# Altium PCB PCB1.PcbDoc (part 2 of 5)
Units mil, origin at the board's own origin, x right, y up, seen from the top; angles counter-clockwise.
Board outline 4133.86 x 2637.8 mil, 6 copper layers (Top Layer, Layer 3, Layer 1, Layer 2, Layer 4, Bottom Layer), stack 32.112 mil thick; 190 components, 222 nets, 983 pads, 548 vias.
Unrouted connection lines stored in the file: 1.
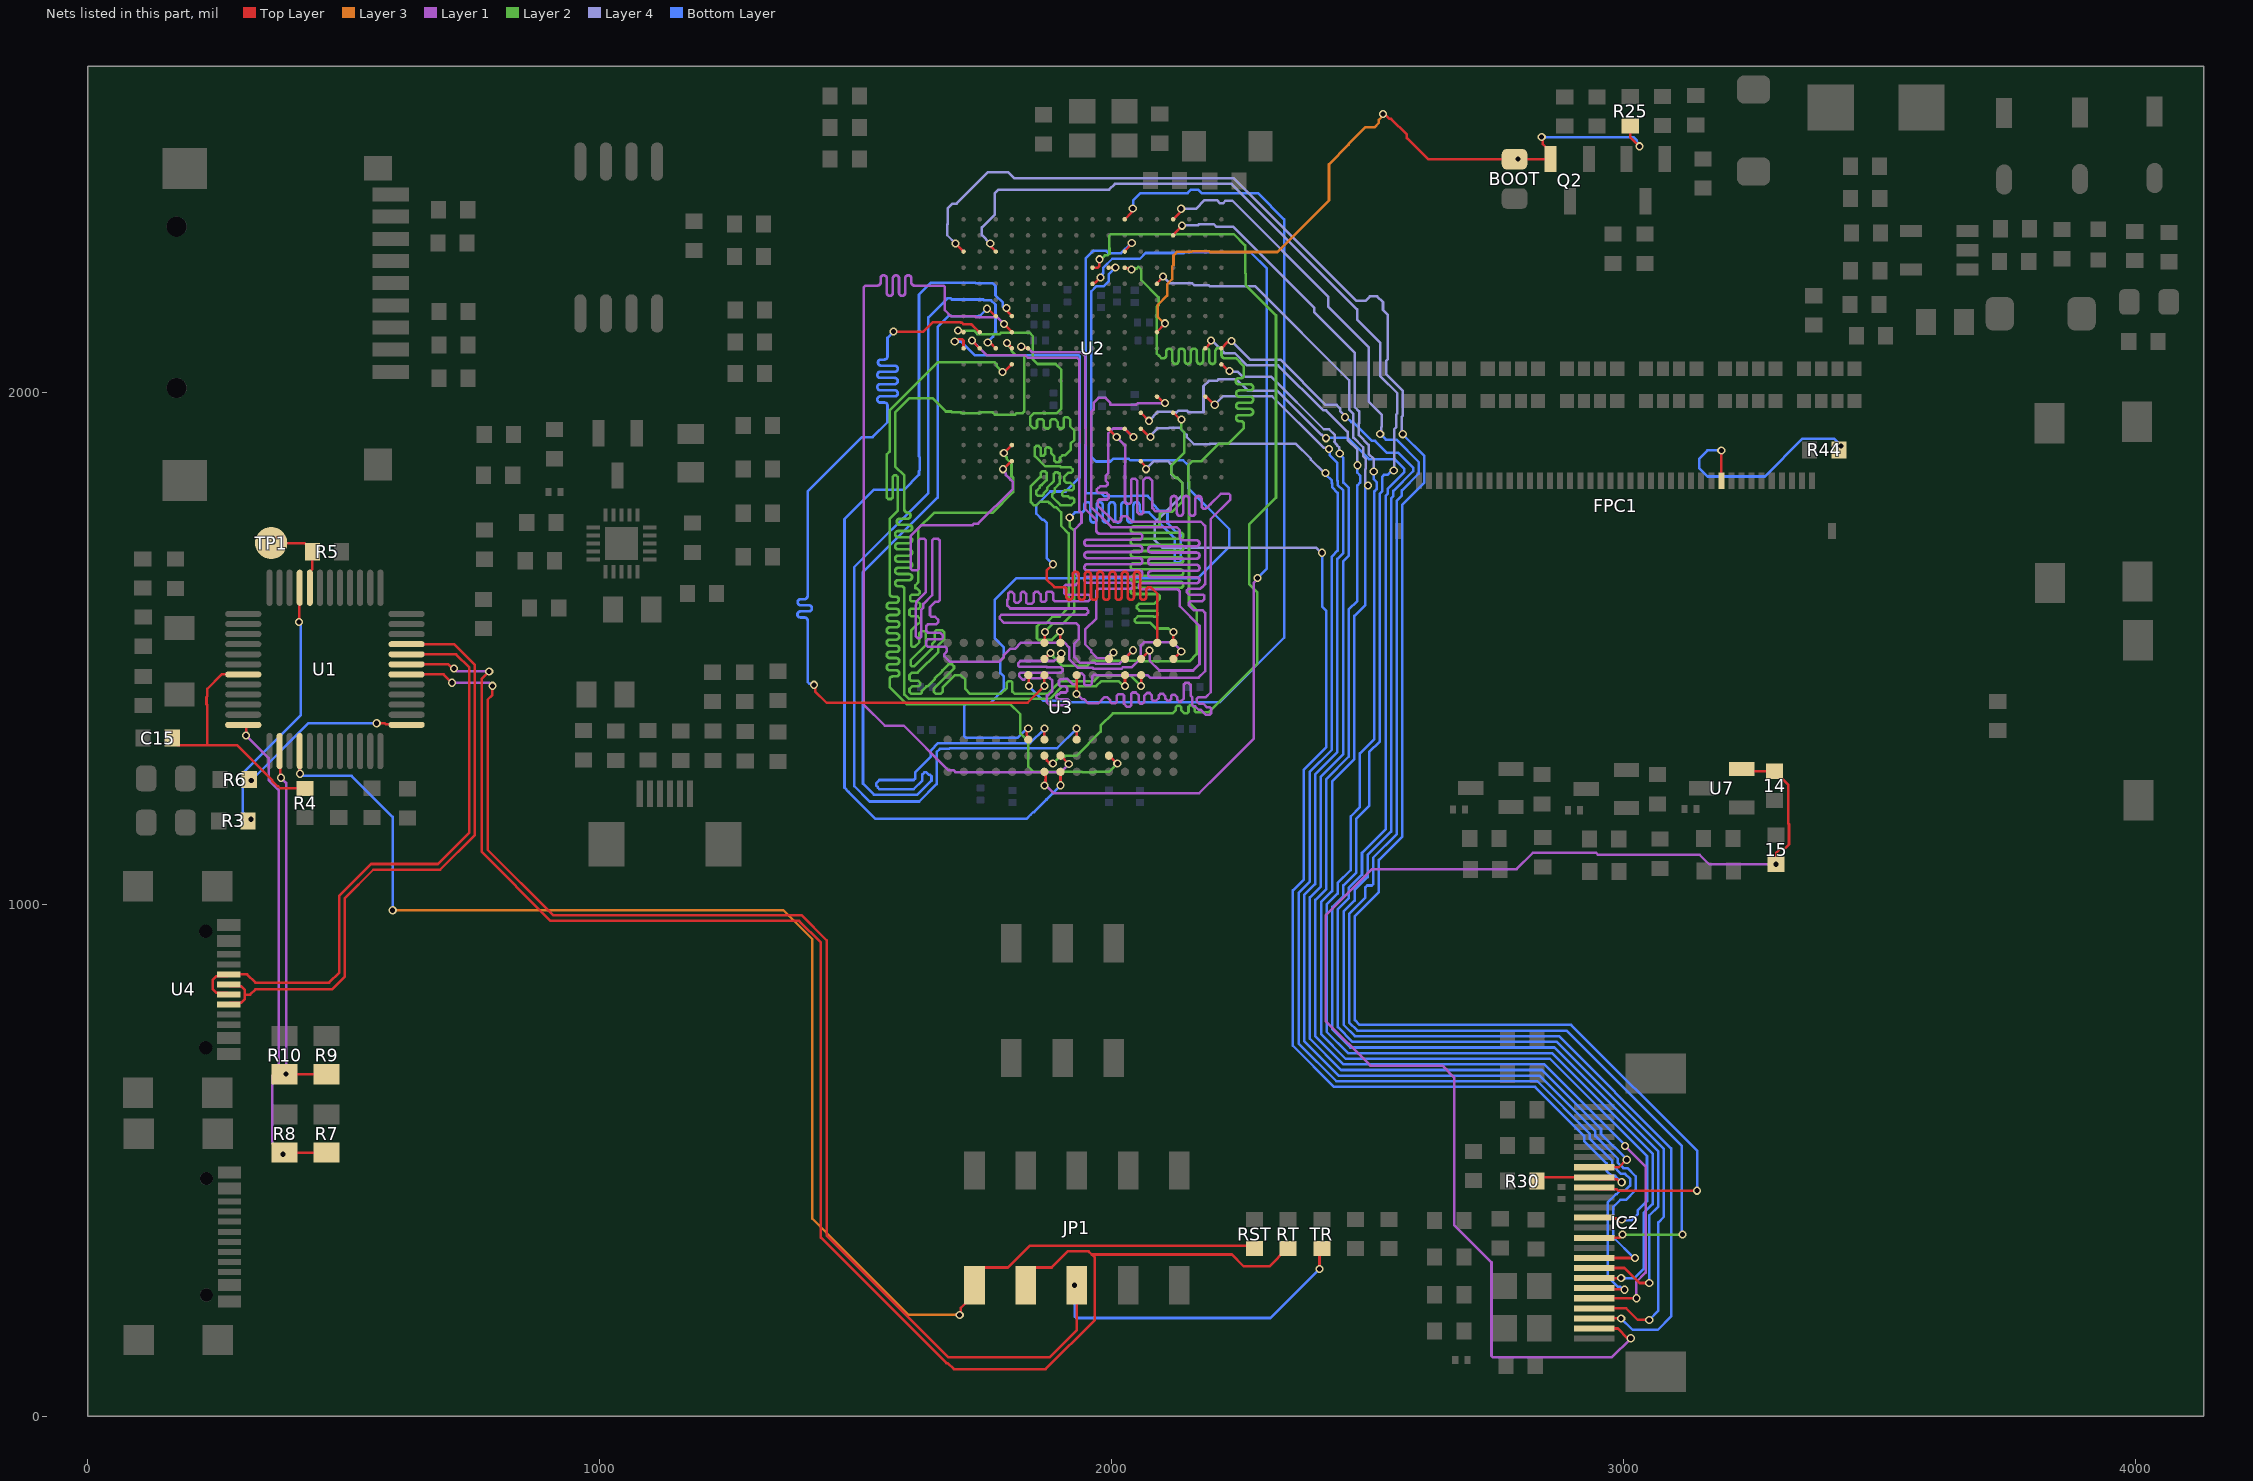
[diagram p6: the nets of this part, all layers, seen from the top]

## Via types
v1: diameter 16, hole 10, Top Layer to Bottom Layer, tented both sides, 548 vias

## Nets (pads, with @x,y where several pads share a name; then routed paths per layer and width w, separated by ;. In a path a pad name is that pad's centre, name@x,y a point inside that pad or via, vN(x,y) a via of type N, cw(c..) or ccw(c..) an arc to the next point about the centre after c; other vN are vias at no path point) (continued)
AF-2.8V: 14.2 15.2 IC2.23 U7.2 | length 2661.2
  Top Layer w5: IC2.23@2942.94,171.52 2988.89,171.52 3008.04,152.37 v1(3014.14,152.37) ; U7.2@3230.74,1264.4 3235.05,1260.09 14.2@3295,1260.09 3296.97,1260.09 3309.23,1247.82 3309.23,1245.85 3322,1233.09 3322,1158 3323.23,1156.77 3323.23,1117.26 3314.96,1108.99 3306.27,1108.99 3298,1100.72 v1(3298,1078.46)
  Layer 1 w5: v1(3014.14,152.37) 2976.76,115 2744.93,115 2742,117.93 2742,300.5 2669,373.5 2669,662 2646,685 2505.44,685 2418,772.44 2418,978.56 2508.44,1069 2791,1069 2822.96,1100.96 2946.09,1100.96 2950.05,1097 3148.74,1097 3167.28,1078.46 v1(3298,1078.46)
BOOT0: BOOT.1@2787,2455.8 Q2.2 R25.2 U2.E8 | length 1416
  Top Layer w5: U2.E8@2088.46,2117.99 2088.46,2118.74 2104.21,2134.49 v1(2104.21,2135.24) ; v1(2529.94,2544) 2532.91,2544 2542.38,2534.53 2545.92,2534.53 2576.66,2503.78 2576.66,2497.34 2618,2456 v1(2794,2456) ; BOOT.1@2794,2455.8 2857.06,2455.8 Q2.2@2857.6,2456.34 2857.6,2470.12 2842.1,2485.61 2842.1,2496.9 v1(2840,2499) ; R25.2@3013,2521 3013,2499.41 v1(3031.41,2481)
  Layer 3 w5: v1(2104.21,2135.24) 2102.71,2135.24 2089.99,2147.96 2089.99,2171.02 2108.21,2189.24 2108.21,2211.41 2118.18,2221.38 2118.18,2246.31 2120.71,2248.85 2120.71,2267.82 2127.62,2274.72 2156.07,2274.72 2157.26,2275.91 2190.68,2275.91 2192.02,2274.57 2323.84,2274.57 2424.5,2375.23 2424.5,2445.83 2463,2484.33 2463,2485.94 2495.06,2518 2513,2518 2521.74,2526.74 2521.74,2532.83 2529.94,2541.02 v1(2529.94,2544)
  Bottom Layer w5: v1(2840,2499) 3019,2499 3026,2492 3026,2489.39 3031.41,2483.98 v1(3031.41,2481)
"CAM_PWDN / PG7": IC2.8 R30.1 U2.F16 | length 2531.3
  Top Layer w5: U2.F16@2056.97,1866.02 2056.97,1864.98 2064.6,1857.35 2064.6,1852.38 v1(2066.7,1850.28) ; R30.1@2830.52,459.3 2838.02,466.8 IC2.8@2942.94,466.8 2946.35,463.39 2987.2,463.39 2993.34,457.26 v1(2996.31,457.26)
  Layer 4 w5: v1(2066.7,1850.28) 2082.5,1866.07 2109.93,1866.07 2116.2,1859.8 2116.2,1840.8 2123.21,1833.79 2127.88,1833.79 2137.55,1824.13 2137.55,1798.42 2084,1744.88 2084,1714.3 2082.85,1713.15 2099,1697 2399.08,1697 2409.08,1687 v1(2411,1687)
  Bottom Layer w5: v1(2411,1687) 2411,1582.03 2419,1574.03 2419,1306.67 2375.5,1263.17 2375.5,1048.64 2354,1027.14 2354,723.86 2434.36,643.5 2827.02,643.5 2922.88,547.64 2922.88,538.12 2967,494 2967,479.6 2977.12,469.48 2983.64,469.48 2995.87,457.26 v1(2996.31,457.26)
DAP_BOOT0: R5.2 TP1.1 U1.44 | length 161.2
  Top Layer w5: TP1.1@358,1706 423.43,1706 438.46,1690.97 R5.2@438.46,1689 438.46,1655.04 433.35,1649.94 U1.44@433.35,1618.57
DAP_DM: U1.32 U4.A7 U4.B7 | length 1231.6
  Top Layer w5: U4.A7@275,823.93 271.59,827.34 250.72,827.34 243.86,834.19 243.86,853.04 250.72,859.9 271.59,859.9 U4.B7@275,863.3 310.7,863.3 327,847 471,847 491,867 491,1017 553,1079 683.44,1079 745,1140.56 745,1463 719.35,1488.65 U1.32@622.33,1488.65
DAP_DP: U1.33 U4.A6 U4.B6 | length 1240.8
  Top Layer w5: U4.B6@275,804.25 278.41,807.65 299.28,807.65 306.14,814.51 306.14,823.93 ; U4.A6@275,843.62 278.41,840.21 299.28,840.21 306.14,833.36 306.14,823.93 ; U1.33@622.33,1508.33 715.23,1508.33 756,1467.56 756,1136 687.72,1067.72 557.28,1067.72 502,1012.44 502,859 477,834 327,834 316.93,823.93 306.14,823.93
DAP_LED1: R6.1 U1.25 | length 355.8
  Top Layer w5: R6.1@315.09,1244 317.09,1242 v1(319,1242) ; v1(564,1354) 579.5,1354 581.35,1352.15 621.03,1352.15 U1.25@622.33,1350.85
  Bottom Layer w5: v1(319,1242) 431,1354 v1(564,1354)
DAP_LED2: R3.1 U1.45 | length 518.3
  Top Layer w5: R3.1@312.54,1163 316.62,1163 316.62,1164.87 v1(318.17,1166.41) ; v1(412,1552) 412.83,1552.83 412.83,1617.73 U1.45@413.67,1618.57
  Bottom Layer w5: v1(318.17,1166.41) 315.59,1166.41 302.5,1179.5 302.5,1256.5 416,1370 416,1549.07 413.07,1552 v1(412,1552)
DAP_nRST: C15.2 R4.1 U1.7 | length 496.5
  Top Layer w5: C15.2@164.54,1325 164.54,1323.03 176.81,1310.77 234.32,1310.77 ; U1.7@303.43,1449.28 261.28,1449.28 233,1421 233,1406.33 231.5,1404.83 231.5,1391.17 233,1389.67 233,1312.09 234.32,1310.77 ; R4.1@424,1226.54 376.06,1226.54 371.74,1230.86 370.1,1230.86 360.43,1240.53 360.43,1242.17 291.84,1310.77 234.32,1310.77
DAP_RST: JP1.9 RST.1@2279,327.46 U1.16 | length 2865.2
  Top Layer w5: U1.16@413.67,1299.67 413.83,1299.5 413.83,1255.47 v1(414,1255.31) ; v1(595.23,988.68) v1@598.92,985 ; v1(1703,198) 1705.1,200.1 1705.1,211.58 1732,238.47 JP1.9@1732,255.8 1732,273.12 1749.58,290.7 1797.4,290.7 1839.7,333 2273.46,333 RST.1@2279,327.46
  Layer 3 w5: v1(595.23,988.68) 1358.32,988.68 1415,932 1415,386 1603,198 v1(1703,198)
  Bottom Layer w5: v1(414,1255.31) 414,1253.93 416.93,1251 515,1251 595.23,1170.77 v1(595.23,988.68)
DAP_RXD: JP1.7 RT.1 U1.31 | length 3226.7
  Top Layer w5: U1.31@622.33,1468.96 704.06,1468.96 712.02,1461 v1(715,1461) ; v1(783.81,1455.1) 769,1440.29 769,1103 904,968 1389.44,968 1432,925.44 1432,349 1677,104 1679.56,104 1691.49,92.07 1871.07,92.07 1967,188 1967,310 1961,316 ; JP1.7@1832,255.8 1832,273.12 1849.58,290.7 1882.64,290.7 1913.94,322 1955,322 1961,316 ; RT.1@2344.75,327.46 2342.78,327.46 2308.32,293 2258,293 2235,316 1961,316
  Layer 1 w5: v1(715,1461) 720.9,1455.1 v1(783.81,1455.1)
DAP_TCK/CK: R9.2 R10.1 U1.14 | length 721.2
  Top Layer w5: U1.14@374.3,1299.67 375.6,1298.37 375.6,1248.69 v1(376.93,1247.36) ; v1(387,669) 384.76,669 R10.1@384,668.24 R9.2@466,668.24
  Layer 1 w5: v1(376.93,1247.36) 387,1237.3 v1(387,669)
DAP_TMS/IO: R7.2 R8.1 U1.12 | length 969.4
  Top Layer w5: U1.12@303.43,1350.85 305.85,1350.85 309,1347.7 v1(309,1330) ; v1(381,512) R8.1@384,515 R7.2@466,515
  Layer 1 w5: v1(309,1330) 352.79,1286.21 352.79,1243.02 373,1222.81 373,678 360,665 360,533 v1(381,512)
DAP_TXD: JP1.5 TR.1 U1.30 | length 3131.7
  Top Layer w5: U1.30@622.33,1449.28 694.72,1449.28 v1(711,1433) ; v1(790,1427) 790,1409 781,1400 781,1106.56 908.56,979 1394,979 1443,930 1443,353.56 1681.56,115 1878.44,115 1932,168.56 JP1.5@1932,255.8 ; v1(2406,288) 2406,322.96 TR.1@2410.5,327.46
  Layer 1 w5: v1(711,1433) 784,1433 v1(790,1427)
  Bottom Layer w5: v1(1927,256) 1928,255 1928,194.93 1930.93,192 2310,192 v1(2406,288)
"DCMI_D0 / PC6": IC2.19 U2.F14 | length 2661.1
  Top Layer w5: U2.F14@2056.97,1929.02 2058.01,1929.02 2073.7,1913.33 v1(2075.72,1913.33) ; IC2.19@2942.94,250.26 2945.2,248 3001.08,248 v1(3002,247.08)
  Layer 4 w5: v1(2075.72,1913.33) 2075.72,1916.28 2089.27,1929.82 2111.45,1929.82 2113.21,1931.57 2132.42,1931.57 2146.58,1917.41 2146.58,1913.12 2160.74,1898.95 2191.31,1898.95 2192.43,1900.08 2359.5,1900.08 2388.85,1870.73 2388.85,1869.15 2415.4,1842.6 v1(2417.68,1842.6)
  Bottom Layer w5: v1(2417.68,1842.6) 2417.68,1840.32 2430,1828 2430,1823.33 2430.5,1822.83 2430.5,1815.05 2441.5,1804.05 2441.5,1690.98 2430,1679.48 2430,1302.11 2386.5,1258.61 2386.5,1044.08 2365,1022.58 2365,728.42 2438.92,654.5 2831.57,654.5 2933.88,552.2 2933.88,542.68 2978,498.55 2978,490.68 2994.92,473.76 3003.15,473.76 3012.81,464.09 3012.81,450.42 3003.15,440.76 2993.11,440.76 2986.14,433.79 2984.79,433.79 2968.88,417.88 2968.88,273.05 2988.48,253.45 2992.65,253.45 2999.02,247.08 v1(3002,247.08)
"DCMI_D1 / PC7": IC2.21 U2.F13 | length 3003.6
  Top Layer w5: U2.F13@2056.97,1960.51 v1(2072.72,1944.76) ; IC2.21@2942.94,210.89 3005.21,210.89 3027.73,188.37 v1(3050.14,188.37)
  Layer 4 w5: v1(2072.72,1944.76) 2090.77,1962.82 2117.18,1962.82 2119,1961 2126.5,1961 2129.58,1964.08 2147.52,1964.08 2150.23,1961.37 2179.37,1961.37 2179.37,2012.37 2189.75,2022.75 2205.54,2022.75 2208.54,2025.76 2244.24,2025.76 2266.24,2003.76 2323.24,2003.76 2409.74,1917.26 2411.08,1917.26 2417.45,1910.9 v1(2418.69,1910.9)
  Bottom Layer w5: v1(2418.69,1910.9) 2419.56,1911.76 2460.57,1911.76 2502.58,1869.75 2552.58,1869.75 2571.93,1850.41 2571.93,1844.93 2539.43,1812.43 2539.43,1802.38 2535,1797.94 2535,1146.67 2489,1100.67 2489,1058.11 2463.5,1032.61 2463.5,1012.19 2442,990.69 2442,760.31 2470.81,731.5 2869.5,731.5 3078.81,522.19 3078.81,389.81 3068,379 3068,206.24 v1(3050.14,188.37)
"DCMI_D2 / PG10": IC2.22 U2.A9 | length 2870.5
  Top Layer w5: U2.A9@2214.45,2086.5 2226.59,2098.64 2231.9,2098.64 v1(2234,2100.74) ; IC2.22@2942.94,191.21 v1(2995.31,191.21)
  Layer 4 w5: v1(2234,2100.74) 2270.48,2064.26 2329.74,2064.26 2418,1976 2439.15,1976 2446.36,1968.78 2446.36,1963.98 2455.68,1954.66 v1(2455.68,1951.68)
  Bottom Layer w5: v1(2455.68,1951.68) 2458.66,1951.68 2468.07,1942.27 2471.73,1942.27 2508.36,1905.64 2514.52,1905.64 2538.15,1882.02 2559.98,1882.02 2588.84,1853.16 2588.84,1846.28 2550.43,1807.87 2550.43,1797.82 2546,1793.39 2546,1142.11 2500,1096.11 2500,1053.56 2474.5,1028.06 2474.5,1007.63 2453,986.13 2453,764.87 2475.37,742.5 2874.06,742.5 3093,523.56 3093,195 3067,169 3017.52,169 v1(2995.31,191.21)
"DCMI_D3 / PG11": IC2.20 U2.B9 | length 2686
  Top Layer w5: U2.B9@2182.95,2086.5 2191.9,2095.44 2191.9,2099.38 v1(2194,2101.48) ; IC2.20@2942.94,230.58 v1(3025.01,230.58)
  Layer 1 w5: v1(3003,528) 3043,488 3043,280.77 3025.01,262.78 v1(3025.01,230.58)
  Layer 4 w5: v1(2194,2101.48) 2195.67,2101.48 2220,2077.15 2240.4,2077.15 2264.3,2053.26 2325.18,2053.26 2413.44,1965 2419.03,1965 2461,1923.03 2461,1907.56 2480,1888.56 v1(2480,1858)
  Bottom Layer w5: v1(2480,1858) 2480,1843.33 2485.5,1837.83 2485.5,1824.17 2480,1818.67 2480,1592.73 2463,1575.73 2463,1288.44 2419.5,1244.94 2419.5,1030.41 2398,1008.91 2398,742.09 2452.59,687.5 2845.24,687.5 3003,529.74 v1(3003,528)
"DCMI_D4 / PE4": IC2.18 U2.D2 | length 2930.1
  Top Layer w5: U2.D2@2119.96,2306.97 2119.96,2307.86 2137.21,2325.11 v1(2137.21,2326) ; IC2.18@2942.94,269.95 v1(2995.31,269.95)
  Layer 4 w5: v1(2137.21,2326) 2137.98,2326.77 2168.73,2326.77 2170.85,2328.89 2199.4,2328.89 2204.79,2323.5 2237.5,2323.5 2396,2165 2396,2156.57 2475,2077.57 2475,1971.26 2483.18,1963.08 2483.18,1940.29 2483,1940.11 2483,1916.67 2502,1897.67 2502,1880.33 2512.05,1870.28 v1(2512.05,1845.65)
  Bottom Layer w5: v1(2512.05,1845.65) v1(2512.05,1845.65) 2512,1830.59 2517.43,1825.16 2517.43,1811.49 2513,1807.06 2513,1322.89 2485,1294.89 2485,1190.06 2467,1172.06 2467,1067.23 2441.5,1041.73 2441.5,1021.3 2420,999.8 2420,751.2 2461.7,709.5 2860.39,709.5 3056.81,513.08 3056.81,414.44 3039.14,396.76 3039.14,288.14 3020.95,269.95 v1(2995.31,269.95)
"DCMI_D5 / PD3": IC2.16 U2.B12 | length 2548.2
  Top Layer w5: U2.B12@2182.95,1992.01 2184,1992.01 2199.74,1976.26 v1(2201.34,1976.26) ; IC2.16@2942.94,309.32 2943.1,309.16 3022.48,309.16 v1(3022.64,309)
  Layer 4 w5: v1(2201.34,1976.26) 2217.84,1992.76 2313.49,1992.76 2414.46,1891.79 2422.44,1891.79 v1(2424.55,1889.69)
  Bottom Layer w5: v1(2424.55,1889.69) 2426.12,1888.12 2426.12,1877.12 2441,1862.24 2441,1827.89 2441.5,1827.39 2441.5,1819.61 2452.5,1808.61 2452.5,1686.42 2441,1674.92 2441,1297.55 2397.5,1254.05 2397.5,1039.53 2376,1018.03 2376,732.97 2443.47,665.5 2836.13,665.5 2944.88,556.75 2944.88,547.23 2989,503.11 2989,495.24 2999.48,484.76 3007.7,484.76 3023.81,468.65 3023.81,441.83 3004.77,422.79 2993.55,422.79 2979.88,409.12 2979.88,349.78 3020.67,309 v1(3022.64,309)
"DCMI_D6 / PE5": IC2.14 U2.D1 | length 3069.4
  Top Layer w5: U2.D1@2119.96,2338.46 2133.6,2352.11 2133.6,2356.9 v1(2135.71,2359) ; IC2.14@2942.94,348.69 2991.69,348.69 v1(2998,355)
  Layer 2 w5: v1(2998,355) v1(3115,355)
  Layer 4 w5: v1(2135.71,2359) 2164.33,2359 2181.33,2376 2205.54,2376 2211.77,2369.77 2217.13,2369.77 2222.07,2374.71 2235.74,2374.71 2423,2187.44 2423,2167.76 2502,2088.76 2502,1982.44 2528,1956.44 2528,1933.67 2526.6,1932.27 2526.6,1921.1 v1(2524.5,1919)
  Bottom Layer w5: v1(2524.5,1919) 2535.48,1908.02 2555.98,1908.02 2599.84,1864.16 2599.84,1841.72 2567,1808.89 2567,1798.83 2557,1788.83 2557,1137.56 2511,1091.56 2511,1039.93 2508.07,1037 2499,1037 2495.48,1033.48 2495.48,1013.06 2464,981.58 2464,769.42 2479.92,753.5 2888.5,753.5 3114.08,527.92 3114.08,355.92 v1(3115,355)
"DCMI_D7 / PE6": IC2.12 U2.E5 | length 2753.4
  Top Layer w5: U2.E5@2088.46,2212.48 2088.46,2213.52 2100.25,2225.31 v1(2100.25,2226.78) ; IC2.12@2942.94,388.06 2944.64,386.36 2994.68,386.36 v1(2996.38,384.66)
  Layer 4 w5: v1(2100.25,2226.78) 2113.8,2213.23 2157.39,2213.23 2160.84,2209.78 2189.49,2209.78 2191.27,2208 2280,2208 2464,2024 2464,1966.7 2472.18,1958.52 2472.18,1944.85 2472,1944.67 2472,1912.11 2491,1893.11 2491,1875.78 2496.5,1870.28 2496.5,1851.17 2495.55,1850.22 2495.55,1820.95 2496.5,1820 2499.25,1820 v1(2500.93,1818.32)
  Bottom Layer w5: v1(2500.93,1818.32) 2499.25,1820 2496.5,1820 2495.5,1819 2495.5,1585.05 2474,1563.55 2474,1283.89 2430.5,1240.39 2430.5,1025.86 2409,1004.36 2409,746.64 2457.14,698.5 2855.83,698.5 3045.81,508.52 3045.81,420.26 3028.14,402.58 3028.14,395.15 3016.27,383.28 2997.75,383.28 v1(2996.38,384.66)
"DCMI_HSYNC / PA4": IC2.9 U2.U3 | length 3644.5
  Top Layer w5: v1(1694.76,2291.22) U2.U3@1710.51,2275.47 ; IC2.9@2942.94,447.11 2946.35,443.7 2986.53,443.7 2989.48,440.76 v1(3143.65,440.76)
  Layer 4 w5: v1(1694.76,2291.22) 1678.68,2307.3 1678.68,2328.42 1679.26,2329 1679.26,2359.31 1689.15,2369.19 1697.19,2369.19 1758.5,2430.5 1797.83,2430.5 1809.83,2418.5 2238.61,2418.5 2477.86,2179.25 2495.58,2179.25 2504.37,2188.05 2518.73,2188.05 2530,2176.77 2530,2161.22 2539.5,2151.72 2539.5,2065.45 2536,2061.95 2536,2036.22 2569,2003.22 2569,1954.8 2566.64,1952.44 2566.64,1920.69 v1(2568.64,1918.69)
  Bottom Layer w5: v1(2568.64,1918.69) 2568.64,1918.41 2610.84,1876.22 2610.84,1823.84 2568,1781 2568,1133 2522,1087 2522,1024.02 2475,977.02 2475,773.98 2484.48,764.5 2897.5,764.5 3144,518 3144,440 3143.65,440.35 v1(3143.65,440.76)
"DCMI_PIXCLK / PA6": IC2.17 U2.R3 | length 3569.1
  Top Layer w5: v1(1762.74,2291.22) 1764.84,2289.12 1764.84,2284.2 U2.R3@1773.5,2275.47 U2.R3@1773.5,2275.47 ; IC2.17@2942.94,289.63 3001.84,289.63 3031.1,260.37 v1(3050.14,260.37)
  Layer 4 w5: v1(1762.74,2291.22) v1(1762.74,2291.22) 1746.5,2307.38 1746.5,2322.5 1771.25,2347.25 1771.25,2388.82 1778.93,2396.5 1995.04,2396.5 2006.04,2407.5 2234.06,2407.5 2479.33,2162.23 2479.33,2142.54 2525,2096.87 2525,2031.66 2558,1998.66 2558,1959.35 2555.64,1956.99 2555.64,1932.08 2552,1928.44 2552,1849 v1(2551,1848)
  Bottom Layer w5: v1(2551,1848) 2548.02,1848 2539.01,1838.99 2531.97,1838.99 2528.43,1835.45 2528.43,1806.93 2524,1802.5 2524,1318.33 2503,1297.33 2503,1192.5 2478,1167.5 2478,1062.67 2452.5,1037.17 2452.5,1016.75 2431,995.25 2431,755.75 2466.25,720.5 2864.95,720.5 3067.81,517.64 3067.81,409.88 3050.14,392.21 v1(3050.14,260.37)
"DCMI_VSYNC / PG9": IC2.7 U2.A10 | length 2294.6
  Top Layer w5: U2.A10@2214.45,2055 2215.49,2055 2228.23,2042.26 v1(2230.2,2042.26) ; IC2.7@2942.94,486.48 2990.85,486.48 3005.63,501.26 v1(3006.31,501.26)
  Layer 4 w5: v1(2230.2,2042.26) 2231.71,2040.75 2245.7,2040.75 2255.18,2031.26 2311.3,2031.26 2414.29,1928.26 2424.66,1928.26 2436.06,1916.86 2436.06,1904.93 2434.73,1903.6 2438.5,1899.83 2438.5,1899.07 2440.51,1897.05 2440.51,1896.93 2444.34,1893.1 2444.34,1882.23 v1(2445.57,1881.01)
  Bottom Layer w5: v1(2445.57,1881.01) 2445.57,1879.4 2452,1872.96 2452,1832.45 2452.5,1831.95 2452.5,1824.17 2463.5,1813.17 2463.5,1681.87 2452,1670.37 2452,1293 2408.5,1249.5 2408.5,1034.97 2387,1013.47 2387,737.53 2448.03,676.5 2840.69,676.5 2955.88,561.31 2955.88,551.79 3006.31,501.35 v1(3006.31,501.26)
DISP: FPC1.31 R44.2 | length 458
  Top Layer w5: FPC1.31@3191.03,1827.63 v1(3191,1887) ; R44.2@3420.54,1888 3420.54,1891.37 v1(3425.11,1895.93)
  Bottom Layer w5: v1(3191,1887) 3164,1887 3148,1871 3148,1851.93 3163.93,1836 3276,1836 3349.83,1909.83 3411.21,1909.83 v1(3425.11,1895.93)
"FMC_A0 / PF0": U2.G4 U3.G8 | length 1780.9
  Top Layer w5: U3.G8@1868.5,1479.49 1868.73,1479.49 1880.3,1491.06 v1(1880.53,1491.06) ; U2.G4@2025.47,2243.98 2026.21,2243.24 2032.97,2243.24 2035.94,2240.27 v1(2038.92,2240.27)
  Layer 2 w5: v1(1880.53,1491.06) 1880.77,1491.06 1886,1485.83 1886,1483.55 1903.19,1466.35 1953.06,1466.35 1963.1,1476.39 2055.61,1476.39 2057,1475 2151.86,1475 2166,1489.14 2166,1575 2151,1590 2151,1825.61 2149.2,1827.41 2149.2,1857.11 2158.05,1865.95 2175.49,1865.95 2209.62,1900.08 2227.8,1900.08 2258.2,1930.48 2258.2,1935.56 2258.2,1938.06 ccw(c2252.2,1938.06) 2252.2,1944.06 2249,1944.06 cw(c2249,1950.06) 2249,1956.06 2270.44,1956.06 ccw(c2270.44,1962.06) 2270.44,1968.06 2249,1968.06 cw(c2249,1974.06) 2249,1980.06 2270.44,1980.06 ccw(c2270.44,1986.06) 2270.44,1992.06 2249,1992.06 cw(c2249,1998.06) 2249,2004.06 2270.44,2004.06 ccw(c2270.44,2010.06) 2270.44,2016.06 2248.36,2016.06 cw(c2248.36,2022.06) 2248.36,2028.06 2252.2,2028.06 ccw(c2252.2,2034.06) 2258.2,2034.06 2258.2,2051 2249.96,2059.23 2249.96,2060.73 2245.26,2065.43 2243.7,2067 2220.56,2067 cw(c2220.56,2073) 2214.56,2073 2214.56,2081 ccw(c2208.56,2081) 2202.56,2081 2202.56,2061.75 cw(c2196.56,2061.75) 2190.56,2061.75 2190.56,2081 ccw(c2184.56,2081) 2178.56,2081 2178.56,2061.75 cw(c2172.56,2061.75) 2166.56,2061.75 2166.56,2079.74 ccw(c2160.56,2079.74) 2154.56,2079.74 2154.56,2061.74 cw(c2148.56,2061.74) 2142.56,2061.74 2142.56,2079.74 ccw(c2136.56,2079.74) 2130.56,2079.74 2130.56,2061.75 cw(c2124.56,2061.75) 2118.56,2061.75 2118.56,2079.74 ccw(c2112.56,2079.74) 2106.56,2079.74 2106.56,2073 cw(c2100.56,2073) 2100.56,2067 2097,2067 2092.06,2071.94 2087.71,2076.29 2087.71,2167.3 2091.5,2171.09 2091.5,2186.11 2057.72,2219.89 2057.72,2240 2051.94,2245.78 2048.52,2242.37 2041.02,2242.37 v1(2038.92,2240.27)
"FMC_A1 / PF1": U2.G3 U3.G9 | length 1755.7
  Top Layer w5: U3.G9@1868.5,1510.98 1869,1511.48 1869,1531.56 v1(1869.5,1532.06) ; U2.G3@2025.47,2275.47 2025.47,2276.52 2039.1,2290.14 v1(2039.1,2292)
  Layer 2 w5: v1(1869.5,1532.06) 1869.5,1533.05 1884.95,1548.5 1904.5,1548.5 1927,1571 1927,1729.56 1917.89,1738.67 1917.89,1753.89 v1@1918,1754
  Bottom Layer w5: v1(1917.89,1755.65) 1928.24,1766 1938,1766 1940.5,1766 ccw(c1940.5,1772) 1946.5,1772 1946.5,1780 cw(c1952.5,1780) 1958.5,1780 1958.5,1752 ccw(c1964.5,1752) 1970.5,1752 1970.5,1780 cw(c1976.5,1780) 1982.5,1780 1982.5,1752 ccw(c1988.5,1752) 1994.5,1752 1994.5,1780 cw(c2000.5,1780) 2006.5,1780 2006.5,1752 ccw(c2012.5,1752) 2018.5,1752 2018.5,1780 cw(c2024.5,1780) 2030.5,1780 2030.5,1752 ccw(c2036.5,1752) 2042.5,1752 2042.5,1780 cw(c2048.5,1780) 2054.5,1780 2054.5,1772 ccw(c2060.5,1772) 2060.5,1766 2073,1766 2123,1716 2123,1671.21 2125.93,1668.28 2132.07,1668.28 2135,1671.21 2135,1725.07 2132.07,1728 2126,1728 2109,1745 2109,1766.07 2106.07,1769 2093.67,1769 2079.62,1783.04 2079.62,1788.38 2070,1798 2037,1798 2036.5,1797.5 1985.07,1797.5 1979.57,1803 1949,1803 1949,2262 1963.76,2276.76 1988.96,2276.76 1993.33,2272.39 2018.54,2272.39 2038.15,2292 v1(2039.1,2292)